# KiCad board SJ-201-R10.kicad_pcb (continued)
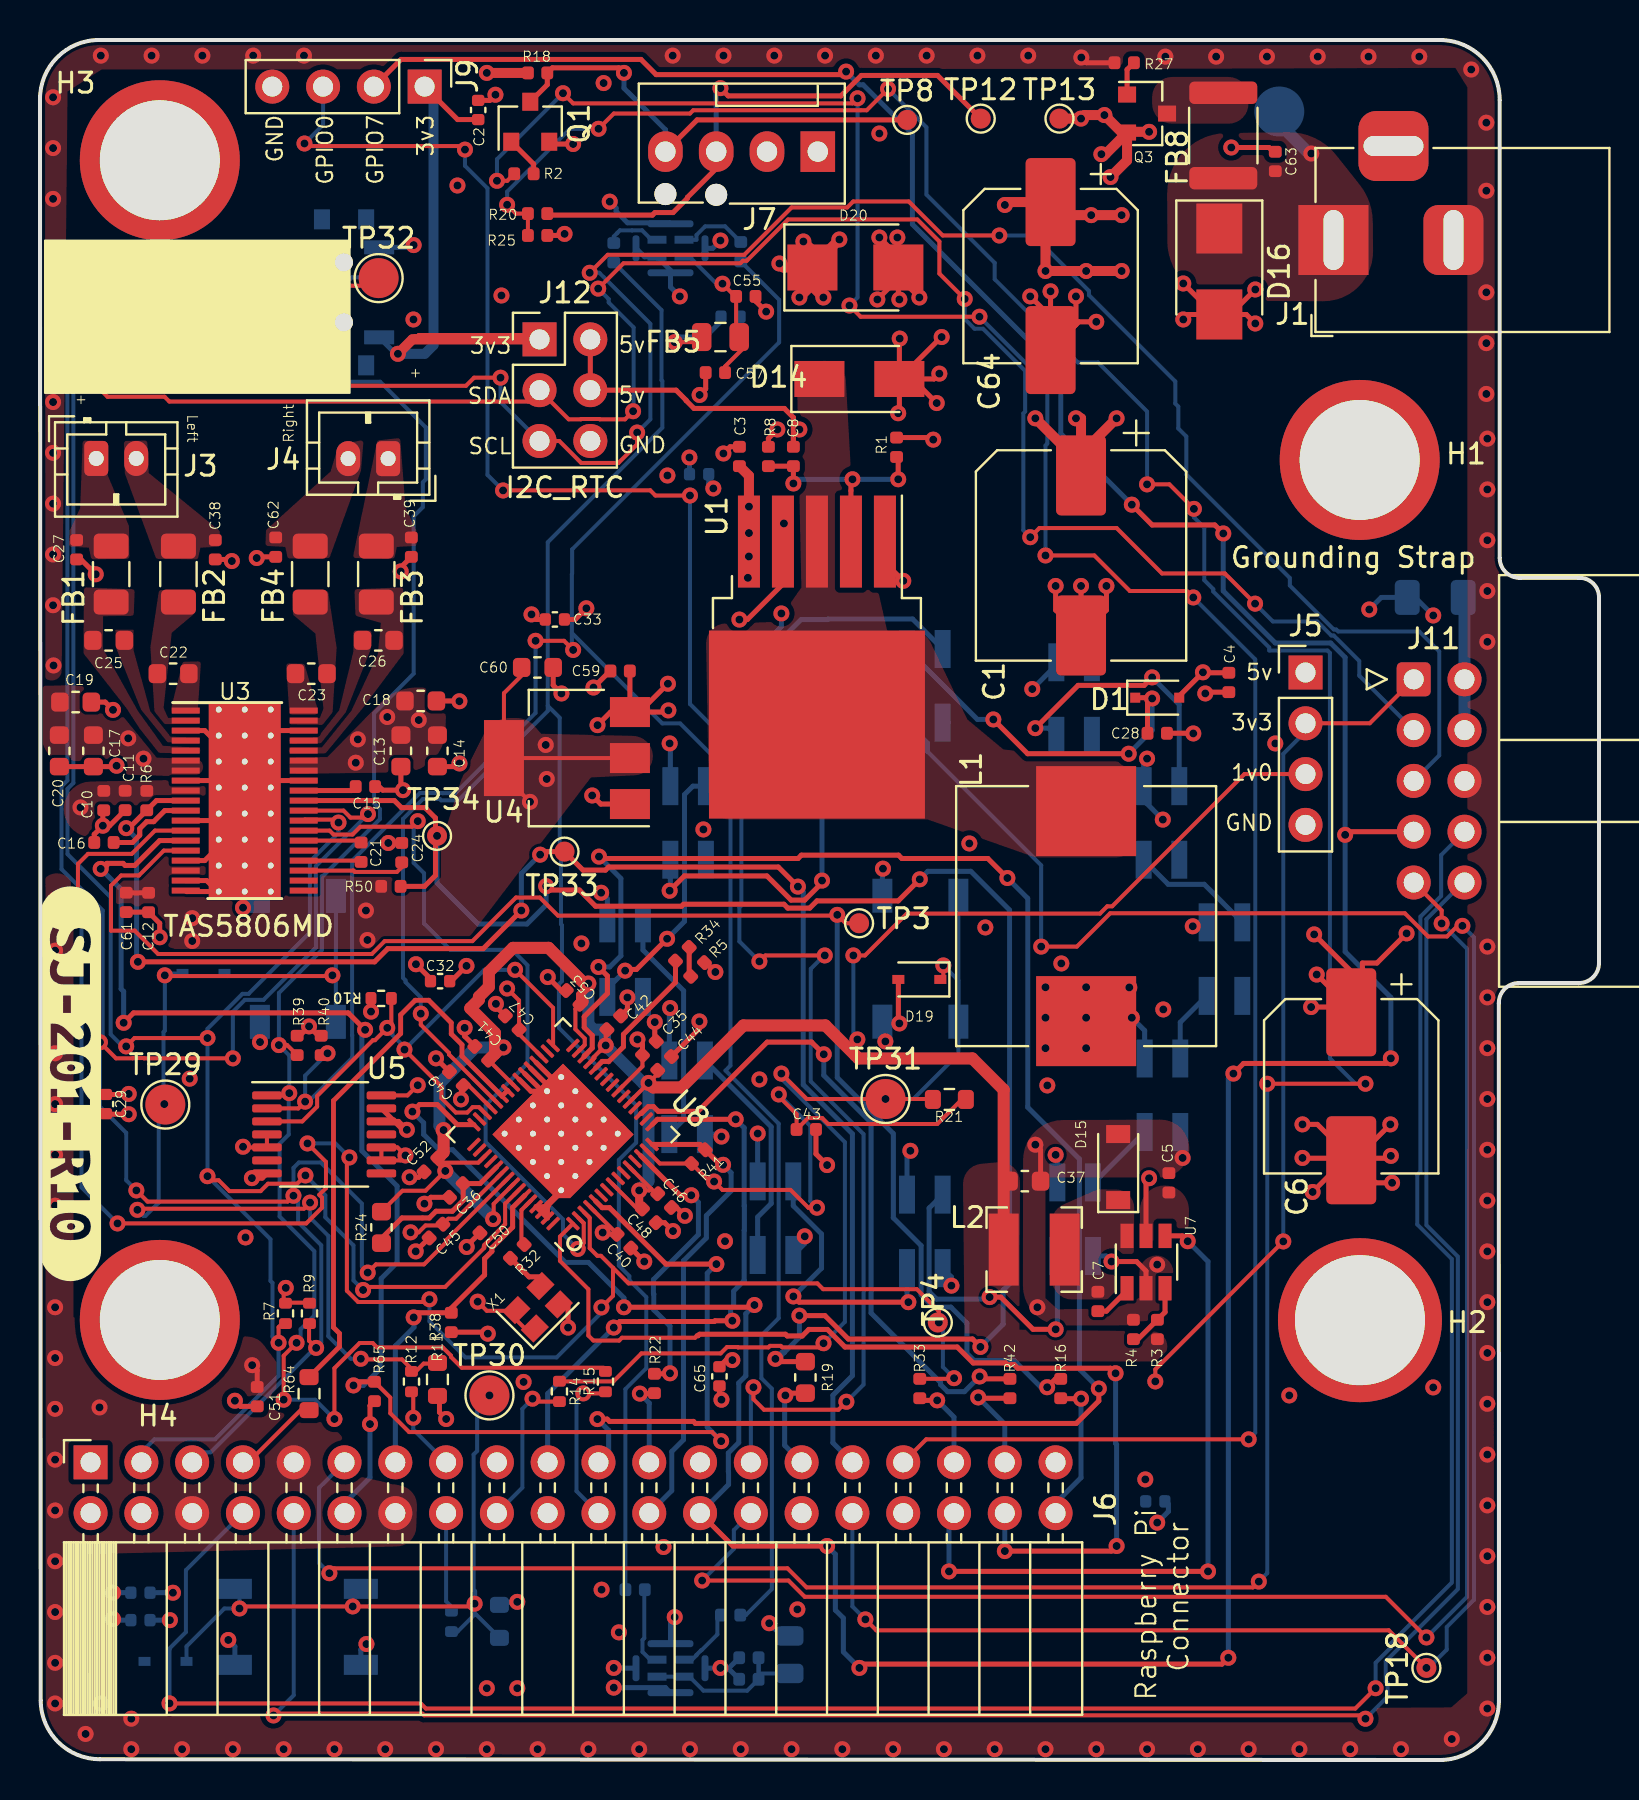
[diagram p0: board, top side]
## Footprints (pads in the part's own frame, mm; a bottom-side part is the same pattern mirrored in y, then rotated) (continued)
  rrect 0.2x0.825 smd: 16(-2.8,-3.5) 17(-2.4,-3.5) 18(-2,-3.5) 19(-1.6,-3.5) 20(-1.2,-3.5) 21(-0.8,-3.5) 22(-0.4,-3.5) 23(0,-3.5) 24(0.4,-3.5) 25(0.8,-3.5) 26(1.2,-3.5) 27(1.6,-3.5) 28(2,-3.5) 29(2.4,-3.5) 30(2.8,-3.5) 46(2.8,3.5) 47(2.4,3.5) 48(2,3.5) 49(1.6,3.5) 50(1.2,3.5) 51(0.8,3.5) 52(0.4,3.5) 53(0,3.5) 54(-0.4,3.5) 55(-0.8,3.5) 56(-1.2,3.5) 57(-1.6,3.5) 58(-2,3.5) 59(-2.4,3.5) 60(-2.8,3.5)
  rect 0.71x0.7 smd rot 45: 61(-2,2)
  round 0.6 hole 0.3: 61(-1.905,1.032) 61(-1.905,0.032) 61(-1.905,-0.968) 61(-1.905,-1.968) 61(-1.905,2.032) 61(-0.905,2.032) 61(-0.905,1.032) 61(-0.905,0.032) 61(-0.905,-0.968) 61(-0.905,-1.968) 61(0.095,2.032) 61(0.095,1.032) 61(0.095,-1.968) 61(0.095,0.032) 61(0.095,-0.968) 61(1.095,2.032) 61(1.095,1.032) 61(1.095,0.032) 61(1.095,-0.968) 61(1.095,-1.968) 61(2.095,2.032) 61(2.095,1.032) 61(2.095,0.032) 61(2.095,-0.968) 61(2.095,-1.968)
  rect 5x4.5 smd: 61(0,-0.254)
  rect 4.5x5 smd: 61(0.254,0)
R_0402_1005Metric
  rrect 0.59x0.64 smd: 1(-0.485,0) 2(0.485,0)
R_0402_1005Metric#2
  rrect 0.54x0.64 smd: 1(-0.51,0) 2(0.51,0)
R_0603_1608Metric
  rrect 0.875x0.95 smd: 1(-0.787,0) 2(0.787,0)
R_0603_1608Metric#2
  rrect 0.8x0.95 smd: 1(-0.825,0) 2(0.825,0)
R_0805_2012Metric
  rrect 0.975x1.4 smd: 1(-0.938,0) 2(0.938,0)
R_1206_3216Metric
  rrect 1.25x1.75 smd: 1(-1.4,0) 2(1.4,0)
R_1812_4532Metric
  rrect 1.125x3.4 smd: 1(-2.138,0) 2(2.138,0)
SOT-23
  rect 0.9x0.8 smd: 1(-1,0.95) 2(-1,-0.95) 3(1,0)
SOT-223-3_TabPin2
  rect 2x1.5 smd: 1(-3.15,2.3) 2(-3.15,0) 3(-3.15,-2.3)
  rect 2x3.8 smd: 2(3.15,0)
SW_SPDT_PCM12
  rect 1x0.8 smd: (-3.65,-1.43) (-3.65,0.78) (3.65,-1.43) (3.65,0.78)
  round 0.9 hole 0.9 unplated: (-1.5,-0.33) (1.5,-0.33)
  rect 0.7x1.5 smd: 1(-2.25,1.43) 2(0.75,1.43) 3(2.25,1.43)
SW_SPST_TL3342
  rect 1.7x1 smd: 1(-3.15,1.9) 1(3.15,1.9) 2(-3.15,-1.9) 2(3.15,-1.9)
TAS5806MDDCPR
  rect 1.4x0.3 smd: 1(-2.95,4.5) 2(-2.95,4) 3(-2.95,3.5) 4(-2.95,3) 5(-2.95,2.5) 6(-2.95,2) 7(-2.95,1.5) 8(-2.95,1) 9(-2.95,0.5) 10(-2.95,0) 11(-2.95,-0.5) 12(-2.95,-1) 13(-2.95,-1.5) 14(-2.95,-2) 15(-2.95,-2.5) 16(-2.95,-3) 17(-2.95,-3.5) 18(-2.95,-4) 19(-2.95,-4.5) 20(2.95,-4.5) 21(2.95,-4) 22(2.95,-3.5) 23(2.95,-3) 24(2.95,-2.5) 25(2.95,-2) 26(2.95,-1.5) 27(2.95,-1) 28(2.95,-0.5) 29(2.95,0) 30(2.95,0.5) 31(2.95,1) 32(2.95,1.5) 33(2.95,2) 34(2.95,2.5) 35(2.95,3) 36(2.95,3.5) 37(2.95,4) 38(2.95,4.5)
  round 0.5 hole 0.3: 39(-1.3,4.55) 39(-1.3,3.25) 39(-1.3,1.95) 39(-1.3,0.65) 39(-1.3,-0.65) 39(-1.3,-1.95) 39(-1.3,-3.25) 39(-1.3,-4.55) 39(0,4.55) 39(0,3.25) 39(0,1.95) 39(0,0.65) 39(0,-0.65) 39(0,-1.95) 39(0,-3.25) 39(0,-4.55) 39(1.3,4.55) 39(1.3,3.25) 39(1.3,1.95) 39(1.3,0.65) 39(1.3,-0.65) 39(1.3,-1.95) 39(1.3,-3.25) 39(1.3,-4.55)
  rect 3.6x9.7 smd: 39(0,0)
TestPoint_Pad_D1.0mm
  round 1 smd: 1(0,0)
TestPoint_Pad_D2.0mm
  round 2 smd: 1(0,0)
TestPoint_Pad_D2.5mm
  round 2.5 smd: 1(0,0)
TO-263-5_TabPin3
  rect 4.55x5.25 smd: (0.95,2.775) (0.95,-2.775) (5.8,2.775) (5.8,-2.775)
  rect 4.6x1.1 smd: 1(-5.775,3.4) 2(-5.775,1.7) 3(-5.775,0) 4(-5.775,-1.7) 5(-5.775,-3.4)
  rect 9.4x10.8 smd: 3(3.375,0)
TSOT-23-6
  rect 1.22x0.65 smd: 1(-1.31,0.95) 2(-1.31,0) 3(-1.31,-0.95) 4(1.31,-0.95) 5(1.31,0) 6(1.31,0.95)
TSSOP-14_4.4x5mm_P0.65mm
  rrect 1.475x0.4 smd: 1(-2.862,1.95) 2(-2.862,1.3) 3(-2.862,0.65) 4(-2.862,0) 5(-2.862,-0.65) 6(-2.862,-1.3) 7(-2.862,-1.95) 8(2.862,-1.95) 9(2.862,-1.3) 10(2.862,-0.65) 11(2.862,0) 12(2.862,0.65) 13(2.862,1.3) 14(2.862,1.95)

## Nets
12v_Unregulated: C63.1 D16.1 FB8.1 J1.1 TP12v0.1
+1V0: C37.1 C41.1 C42.1 C44.1 C46.1 C48.1 C50.1 C52.1 C53.1 J5.3 L2.2 R3.1 R24.2 U8.8 U8.11 U8.20 U8.27 U8.29 U8.38 U8.48 U8.53
+5V: C4.1 C5.2 C6.1 C8.1 C9.1 C34.1 C59.1 D1.2 D3.1 D4.1 D5.1 D6.1 D7.1 D8.1 D9.1 D10.1 D11.1 D12.1 D13.1 F1.1 J5.1 J6.2 J6.4 J12.2 J12.4 L1.2 R1.1 U4.3 U7.5
/AudioAmp/AVDD: C15.2 U3.30
/Power/5v_unfiltered: D14.1 L1.1 U1.3
/RaspberryPi/5Vf: F1.2 J11.2 J11.4
/xmos/3V3_MIC0: C55.1 C57.1 FB5.1 U10.VDD
/xmos/3V3_MIC1: C56.1 C58.1 FB6.1 U11.LR U11.VDD
DVDD: C2.1 C10.1 C11.1 C12.1 C29.1 C30.1 C31.1 C32.1 C33.1 C35.1 C40.1 C43.1 C45.1 C47.1 C49.1 C51.1 C54.1 C60.1 C61.1 C65.1 FB5.2 FB6.2 J5.2 J9.1 J11.1 J12.1 R6.1 R7.2 R9.2 R11.1 R17.1 R21.1 R41.2 R50.1 SW1.1 U3.9 U3.17 U4.2 U5.14 U8.4 U8.14 U8.22 U8.33 U8.42 U8.51 X1.1 X1.4
GND: C1.2 C2.2 C3.2 C4.2 C5.1 C6.2 C9.2 C10.2 C11.2 C12.2 C13.2 C14.2 C15.1 C16.1 C17.2 C18.2 C19.2 C20.2 C24.2 C27.2 C28.2 C29.2 C30.2 C31.2 C32.2 C33.2 C34.2 C35.2 C36.2 C37.2 C38.2 C39.2 C40.2 C41.2 C42.2 C43.2 C44.2 C45.2 C46.2 C47.2 C48.2 C49.2 C50.2 C51.2 C52.2 C53.2 C54.2 C55.2 C56.2 C57.2 C58.2 C59.2 C60.2 C61.2 C62.2 C63.2 C64.2 C65.2 D2.3 D3.3 D4.3 D5.3 D6.3 D7.3 D8.3 D9.3 D10.3 D11.3 D12.3 D13.3 D14.2 D15.2 D16.2 D17.2 D18.2 D19.2 D20.2 H1.1 J1.2 J1.3 J5.4 J6.6 J6.9 J6.14 J6.20 J6.25 J6.30 J6.34 J6.39 J7.1 J9.4 J11.6 J12.6 Q1.2 R4.1 R5.2 R8.1 R10.2 R25.2 R27.2 R38.2 R39.2 R40.1 S1.2 S2.2 S3.2 SW1.3 U1.1 U1.4 U3.3 U3.8 U3.12 U3.16 U3.18 U3.19 U3.31 U3.36 U3.39 U4.1 U5.4 U5.5 U5.7 U5.9 U5.10 U5.12 U5.13 U7.2 U8.34 U8.35 U8.36 U8.37 U8.57 U8.58 U8.59 U8.61 U10.GND U10.GND1 U10.GND2 U10.GND3 U10.LR U11.GND U11.GND1 U11.GND2 U11.GND3 X1.2
PVDD: C1.1 C3.1 C13.1 C14.1 C17.1 C18.1 C19.1 C20.1 C64.1 D20.1 J7.2 Q3.2 R18.1 TP13.1 U1.5 U3.6 U3.7 U3.32 U3.33
/AudioAmp/BSTA+: C25.1 U3.4
/AudioAmp/BSTA-: C22.1 U3.1
/AudioAmp/BSTB+: C26.1 U3.35
/AudioAmp/BSTB-: C23.1 U3.38
/AudioAmp/Left+: C27.1 FB1.1 J3.1
/AudioAmp/Left-: C38.1 FB2.1 J3.2
/AudioAmp/OUT_A1+: C25.2 FB1.2 U3.5
/AudioAmp/OUT_A1-: C22.2 FB2.2 U3.2
/AudioAmp/OUT_B1+: C26.2 FB3.2 U3.34
/AudioAmp/OUT_B1-: C23.2 FB4.2 U3.37
/AudioAmp/Right+: C39.1 FB3.1 J4.1
/AudioAmp/Right-: C62.1 FB4.1 J4.2
/AudioAmp/VR_DIG: C16.2 U3.11
/MCU/FAN_PWM: J7.4 Q1.3 R18.2 TP8.1
/MCU/FAN_TACH: J7.3 R20.2 TP12.1
/xmos/24M: R32.1 U8.56
/xmos/MIC_CLK: R43.1 R45.1 U8.41
/xmos/MIC_DATA: R10.1 U5.3 U8.31 U8.43
/xmos/MIC_DATA_M: R40.2 R44.1 R46.1 U5.2
/xmos/PLL_AVDD_Filter: C36.1 R24.1 U8.50
Boot_Sel: J6.37 R42.2
Enable1V: J6.36 U7.4
FanPWM: J6.33 R2.2
FanTach: J6.11 R20.1 R25.1
GPIO0: J6.27 J9.3
GPIO1: J6.28 J11.9
GPIO5: R19.1 R50.2 TP34.1 U3.29
GPIO7: J6.26 J9.2 J11.7 U8.45
GPIO22: D17.1 R11.2 R12.2 S1.1 TP29.1
GPIO23: D18.1 R13.2 R17.2 S2.1 TP30.1
GPIO24: D19.1 R14.2 R21.2 S3.1 TP31.1
GPIO25: R15.2 R39.1 SW1.2 TP32.1 U5.1
I2S_BCLK_AMP: R65.2 U3.14 U8.5
I2S_BCLK_PI: J6.12 R65.1
I2S_DIN_AMP: R16.2 TP3.1 U3.15
I2S_DIN_PI: J6.38 U8.1
I2S_DIN_XMOS: U3.26 U8.2
I2S_DOUT_PI: J6.40 R16.1
I2S_LRCK_AMP: R33.2 TP4.1 U3.13 U8.3
I2S_MCLK_PI: J6.7 R64.2
I2S_MCLK_XMOS: R64.1 U8.39 U8.40
I2S_WS_PI: J6.35 R33.1
Neopixel: D2.4 J6.32 TP18.1
SCL: J6.5 J11.5 J12.5 R9.1 U3.28 U8.52
SDA: J6.3 J11.3 J12.3 R7.1 U3.27 U8.54
SPI_CLK: J6.23 R22.2
SPI_CSn: J6.24 R41.1 U8.15
SPI_MISO: J6.21 U8.28
SPI_MOSI: J6.19 U8.16
TAS_Fault: J6.31 R6.2 TP33.1 U3.10
UART_RXD_PI: J6.10 J11.10
UART_TXD_PI: J6.8 J11.8
XMOS_Reset: J6.13 R38.1 U8.55
Net-(C7-Pad1): C7.1 D15.1 L2.1 U7.6
Net-(C7-Pad2): C7.2 U7.1
Net-(C8-Pad2): C8.2 R1.2 R8.2 U1.2
Net-(C21-Pad1): C21.1 U3.23
Net-(C21-Pad2): C21.2 U3.25
Net-(C24-Pad1): C24.1 U3.22
Net-(C28-Pad1): C28.1 D1.1 D2.1
Net-(D2-Pad2): D2.2 D3.4
Net-(D3-Pad2): D3.2 D4.4
Net-(D4-Pad2): D4.2 D5.4
Net-(D5-Pad2): D5.2 D6.4
Net-(D6-Pad2): D6.2 D7.4
Net-(D7-Pad2): D7.2 D8.4
Net-(D8-Pad2): D8.2 D9.4
Net-(D10-Pad2): D10.2 D11.4
Net-(D10-Pad4): D9.2 D10.4
Net-(D11-Pad2): D11.2 D12.4
Net-(D12-Pad2): D12.2 D13.4
Net-(FB8-Pad2): FB8.2 Q3.3
Net-(J6-Pad15): J6.15 R12.1
Net-(J6-Pad16): J6.16 R13.1
Net-(J6-Pad18): J6.18 R14.1
Net-(J6-Pad22): J6.22 R15.1
Net-(J6-Pad29): J6.29 R19.2
Net-(Q1-Pad1): Q1.1 R2.1
Net-(Q3-Pad1): Q3.1 R27.1
Net-(R3-Pad2): R3.2 R4.2 U7.3
Net-(R22-Pad1): R22.1 U8.13
Net-(R32-Pad2): R32.2 X1.3
Net-(R34-Pad1): R34.1 U8.26
Net-(R34-Pad2): R5.1 R34.2
Net-(R42-Pad1): R42.1 U8.18
Net-(R43-Pad2): R43.2 U10.CLK
Net-(R44-Pad2): R44.2 U10.DOUT
Net-(R45-Pad2): R45.2 U11.CLK
Net-(R46-Pad2): R46.2 U11.DOUT

Pads without a net: D13 2; H2 1; H3 1; H4 1; J6 1 17; U3 20 21 24; U5 6 8 11; U8 6 7 9 10 12 17 19 21 23 24 25 30 32 44 46 47 49 60

## Via types
v1: diameter 0.8, hole 0.4, Top to Bottom, 531 vias

## Routing (per net, layer and track width the routed paths; a pad name or vN(x,y) marks a point on that pad's centre or on a via; arc(x,y) is an arc through that point)
12v_Unregulated: length 2.8
  Bottom w0.6: v1(63.58,80.33) 63.48,80.33 61.98,81.83 TP12v0.1
+1V0: length 120.8
  Top w0.2: 30.56,28.57 U8.11 ; 30.56,28.57 30.47,28.48 v1(29.97,28.48) ; 30.56,28.57 30.81,28.32 C46.1 ; R24.2 18.13,28.47 19.28,28.47 20.27,29.45 v1(20.27,29.45) 19.89,29.83 C52.1 20.12,29.87 21.92,29.87 U8.48 ; 40.78,35.23 40.78,35.93 v1(40.88,36.03) ; U8.27 27.68,35.06 27.68,35.13 27.99,35.45 28.01,35.45 v1(28.29,35.73) 28.29,36.46 C42.1 ; v1(22.66,27.05) 22.66,27.05 C50.1 22.69,27.81 U8.53 ; U8.38 C41.1 ; C44.1 30.89,34.31 v1(30.43,33.86) U8.20 ; 29.97,27.72 C48.1 29.88,27.55 U8.8 ; C53.1 26.78,37.56 26.78,36.54 27.24,36.07 27.24,35.76 U8.29 ; v1(40.68,40.23) 41.26,40.23 43.35,42.32 53.01,42.32 53.37,42.69 53.62,42.69 60.23,49.3 J5.3
  Top w0.4: C53.1 27.01,38.26 27.42,38.68 v1(27.42,38.83) ; v1(29.97,28.48) 29.97,27.72
  Top w0.6: 22.75,35.31 22.75,36.35 21.52,37.59 21.95,38.02 21.95,38.16 22.45,38.66 22.45,39.4 23.66,40.61 25.44,40.61 27.14,38.9 ; L2.2 48.2,33.51 46.63,35.08 40.93,35.08 39.28,36.73 35.18,36.73 32.08,33.63 30.66,33.63 v1(30.43,33.86) ; C53.1 27.14,37.93 ; v1(23.18,35.63) 23.07,35.63 C41.1 ; C52.1 20.18,30.38 v1(20.18,31.5)
  Bottom w0.2: v1(40.88,36.03) 40.68,36.23 v1(40.68,40.23)
  Bottom w0.6: v1(20.27,29.45) 22.66,27.06 v1(22.66,27.05) ; v1(23.18,35.63) 21.78,35.63 19.98,33.83 19.98,31.71 v1(20.18,31.5) ; v1(29.97,28.48) 30.43,28.95 v1(30.43,33.86) 30.15,33.86 28.29,35.72 v1(28.29,35.73) 28.25,35.77 28.25,36.52 27.69,36.52 27.42,36.78 v1(27.42,38.83)
+5V: length 77.3
  Top w0.25: v1(63.72,41.28) 65.58,39.43 65.58,37.39 ; U4.3 29.5,54.45 C59.1 ; U4.3 31.34,52.4 v1(31.43,52.48) ; U4.3 28.54,52.4 v1(27.88,51.75) ; U4.3 29.99,52.4 v1(31.4,53.82) ; 66.14,37.95 65.66,37.47 v1(63.85,39.28) ; 66.14,37.95 65.84,37.65 v1(63.57,37.65) ; 66.14,37.95 66.14,39.85 66.86,39.85 v1(68.35,41.33) ; R1.1 44.57,66.13 v1(44.67,66.02) ; D1.2 56.97,53.2 v1(58.16,54.39) 58.18,54.37 C4.1 ; v1(55.47,29.09) 55.31,28.94 U7.5 ; v1(37.98,66.53) 37.68,66.23 C8.1 37.68,67.13 37.23,67.58 32.71,67.58 32.31,67.98 32.31,68 31.81,68.5 J12.4 J12.2
  Bottom w0.25: v1(54.6,37.12) 55.25,36.47 D10.1 ; D3.1 35.84,55.44 37.08,56.68 v1(37.08,57.33) ; v1(49.63,53.55) 50.83,54.75 D13.1 ; D11.1 57.85,41.89 v1(57.65,41.69) ; D8.1 43.36,30.29 v1(43.53,30.46) ; C9.1 v1(6.65,8.36) ; C34.1 v1(6.5,6.99) ; D6.1 31.47,37.56 v1(31.51,37.6) ; D5.1 28.37,43.06 v1(28.06,43.37) ; v1(56.15,47.02) 55.2,47.98 D12.1 55.2,49.9 v1(55.37,50.07) ; D4.1 31.52,50.8 v1(31.49,50.83) ; v1(69.68,57.23) 68.78,58.13 F1.1 67.08,58.13 v1(66.48,57.53) ; v1(35.89,31.33) D7.1 ; D9.1 50.88,30.17 v1(50.79,30.26)
  vias: v1(50.29,38.64) v1(50.29,37.12) v1(50.29,35.59) v1(52.32,38.64) v1(52.32,37.12) v1(52.32,35.59) v1(54.48,38.63)
/AudioAmp/AVDD: length 2.7
  Top w0.25: C15.2 15.59,48.47 U3.30
/RaspberryPi/5Vf: length 6.7
  Bottom w0.6: J11.4 71.24,58.07 F1.2
/xmos/3V3_MIC0: length 7.9
  Top w0.2: C57.1 34.26,69.68 35.35,70.77 34.81,71.31 C55.1 34.77,73.18 v1(34.13,73.82)
  Bottom w0.2: U10.VDD 32.48,75.17 33.83,73.82 v1(34.13,73.82)
/xmos/3V3_MIC1: length 9
  Bottom w0.2: U11.LR U11.VDD 32.48,4.17 33.18,3.47 35.37,3.47 C58.1 C56.1 35.94,4.33 FB6.1
DVDD: length 161.2
  Top w0.2: v1(28.14,26.37) 28.23,26.28 C40.1 28.86,26.31 U8.4 ; v1(24.5,47.91) 23.2,49.21 U4.2 ; FB5.2 32.84,70.9 v1(31.74,70.9) ; v1(38.86,27.62) 38.42,27.62 37.53,28.51 34.13,28.51 v1(33.71,28.93) 33.48,28.93 R41.2 31,29.83 U8.14 ; J11.1 66.5,51.84 J5.2 ; 46.1,33.03 44.87,31.8 39.42,31.8 39.12,32.1 38.41,32.1 C43.1 37.84,32.29 36.95,33.18 v1(36.95,33.28) ; v1(12.29,23.61) 12.19,23.5 12.19,22.87 13.46,22.87 ; v1(23.36,38.58) 23.96,37.98 C47.1 23.96,36.3 U8.33 ; v1(62.18,25.93) 55.78,19.53 v1(55.78,18.93) ; v1(21.05,33.03) 21.05,33.61 C49.1 21.44,33.73 U8.42 ; U5.14 18.38,33.23 v1(18.89,33.74) ; v1(21.89,22.92) 22.34,22.46 23.37,22.46 24.71,21.12 ; U4.2 23.2,53.34 24.29,54.43 ; U4.2 U4.2 ; 25.24,71.25 18.94,71.25 18.87,71.18 ; U8.51 20.82,27.07 20.42,27.07 C45.1 20.09,26.73 19.28,26.73 18.94,26.39 v1(18.53,26.39) ; U8.22 30.13,34.68 C35.1
  Top w0.25: v1(24.58,57.28) 24.83,57.03 C33.1 ; C61.1 4.32,43.36 C12.1 ; v1(29.88,36.03) 30.13,35.78 C35.1 ; v1(20.31,17.05) 19.98,17.39 19.98,18.21 ; C32.1 19.53,39.06 v1(18.8,39.79) ; C51.1 10.03,17.68 v1(9.75,17.97) ; C2.1 20.89,82.03 J9.1 ; 18.87,71.18 18.76,71.18 v1(17.9,70.31) ; v1(4.44,33.31) 4.41,33.28 C29.1 ; C65.1 34.31,20 v1(34.63,20) ; 4.32,43.29 4.32,43.29
  Top w0.5: J12.1 18.62,71.04 v1(17.9,70.31)
  Bottom w0.2: 19.6,83.31 J9.1 ; v1(38.86,27.62) 38.53,27.95 38.53,31.7 v1(36.95,33.28) ; v1(62.18,25.93) 62.18,50.31 63.29,51.42 J5.2
  Bottom w0.25: 22.85,7.88 23.85,7.88 v1(23.87,7.91) ; FB6.2 37.11,6.2 v1(36.47,6.84) ; v1(31.74,70.9) 32,71.15 33.27,71.15 34.06,71.94 C31.1 ; 56.43,12.81 56.43,12.43 v1(55.87,11.87) ; v1(32.48,65.13) 32.48,65.13 C30.1 ; v1(17.9,70.31) 17.78,70.31 SW1.1
  Bottom w0.5: J9.1 19.68,83.23 19.68,70.75 19.25,70.31 v1(17.9,70.31)
  vias: v1(2.03,47.63) v1(7.61,42.1) v1(7.61,40.95) v1(16.3,42.48) v1(16.38,41) v1(25.29,50.76) v1(25.34,49.05)
GND: length 229
  Top w0.2: U5.4 U5.5 10.19,30.63 v1(10.15,30.67) ; 17.88,30.63 v1(18.28,30.23) 18.03,29.98 U5.9 U5.10 17.88,30.63
  Top w0.25: D16.2 58.73,72.28 v1(57.18,73.83) ; D16.2 60.33,72.28 v1(60.78,71.83) ; D16.2 59.53,72.28 v1(60.78,73.53) ; D16.2 57.43,72.28 v1(57.18,72.03) ; R5.2 33.31,39.87 v1(33.78,39.4) ; R40.1 13.92,36.22 v1(13.46,36.68) 12.99,36.22 R39.2 ; U8.61 25.55,34.15 U8.34 ; v1(26.08,53.33) 25.67,53.74 C60.2 ; v1(44.98,69.32) 44.71,69.06 D14.2 ; C64.2 50.54,72.17 v1(49.52,73.18) ; C64.2 51.81,71.77 v1(51.81,73.18) ; C64.2 v1(50.54,73.44) ; C64.2 51.95,71.91 v1(52.83,71.91) ; v1(42.88,76.13) 42.93,76.08 D20.2 ; R38.2 22.32,21.39 v1(22.4,21.32) ; D20.2 42.93,73.08 v1(42.98,73.03) ; D20.2 42.93,74.08 v1(41.88,73.03) ; D20.2 42.93,74.18 v1(43.98,73.13) ; D20.2 42.93,75.18 v1(41.98,76.13) ; v1(34.18,65.33) 34.51,65.67 C3.2 ; D14.2 42.98,67.4 v1(42.92,67.34) ; D14.2 42.98,71.06 v1(43,71.08) ; D14.2 43.64,69.06 v1(44.85,67.85) ; D14.2 45.07,71.15 v1(45.09,71.15) ; U3.31 11.24,48.97 U3.39 ; U5.7 11.11,29.1 v1(10.6,29.1) ; U3.8 9.24,48.97 U3.39 ; C36.2 19.55,28.14 v1(19.23,27.82) ; 25.36,27.65 25.36,27.69 26.12,28.45 U8.61 ; 25.36,27.65 25.43,27.72 25.43,27.83 ; 25.36,27.65 U8.58 ; C14.2 20.82,49.67 v1(20.98,49.83) ; v1(27.62,48.23) 28.05,47.8 U4.1 ; v1(3.65,52.51) 3.26,52.9 C19.2 ; v1(52.08,85.13) 52.34,84.87 R27.2 ; U8.61 25.36,33.77 U8.35 ; U8.61 25.12,33.44 U8.36 ; U8.61 24.56,33.44 U8.37 ; 61.68,80.42 61.46,80.63 v1(59.58,80.63) ; C4.2 58.34,53.4 v1(58.28,53.33) ; v1(63.14,31.78) 63.88,31.78 65.58,30.09 ; v1(18.48,29.14) 18.94,29.14 C52.2 ; v1(30.22,24.92) C40.2 ; v1(25.39,39.15) 26.07,38.48 C53.2 ; v1(32.99,68.26) 33.29,68.56 C57.2 ; v1(39.36,29.75) 38.81,30.31 C43.2 ; v1(9.59,59.95) 9.51,60.03 C38.2 ; U3.36 11.79,51.47 U3.39 ; v1(21.33,39.71) 20.57,38.95 C32.2 ; v1(67.56,30.21) 67.44,30.09 65.58,30.09 ; 65.58,30.09 63.16,30.09 v1(63.14,30.11) ; 65.58,30.09 66.8,28.86 v1(67.62,28.86) ; 65.58,30.09 65.33,30.09 v1(63.65,28.4) ; 65.58,30.09 65.84,30.09 v1(67.53,31.78) ; U5.13 18.14,31.51 v1(18.35,31.51) 17.93,31.93 U5.12 ; C49.2 v1(19.81,35.08) ; v1(27.32,57.59) 26.77,57.03 C33.2 ; v1(27.68,53.63) 28.51,54.45 C59.2 ; C62.2 10.9,60.16 v1(10.84,60.1) ; v1(3.14,46.72) 3.14,47.44 ; v1(3.14,46.72) 2.71,46.29 C16.1 ; v1(3.14,46.72) 3.48,46.72 C11.2 ; v1(26.41,21.62) 26.41,22.81 26.41,22.82 ; v1(4.44,32.29) 3.32,32.29 C29.2 ; R25.2 26.16,76.23 v1(26.23,76.31) ; v1(30.75,36.9) 30.75,36.01 C35.2 ; C65.2 33.98,18.12 v1(34.08,18.02) ; v1(32.25,27.21) 31.83,27.63 C46.2 ; R10.2 16.55,37.42 v1(16.55,37.42) ; C61.2 5.43,42.4 C12.2 5.99,41.84 v1(5.99,41.14) ; C18.2 20.96,52.96 v1(20.97,52.94) ; U3.39 10.24,49.47 8.24,51.47 U3.3 ; U3.39 10.24,46.97 8.24,44.97 U3.16 ; U3.39 9.24,46.97 U3.12 ; C1.2 53.33,57.5 v1(53.33,58.71) ; C1.2 v1(52.06,58.71) ; C1.2 50.79,57.5 v1(50.79,58.71) ; v1(57.68,51.33) 57.67,51.34 C28.2 ; v1(22.8,37.81) 22.8,37.68 C47.2 ; C27.2 2.04,60.03 v1(2.79,59.29) ; U1.4 37.16,58.81 35.37,57.03 v1(34.98,57.03) ; C48.2 31.24,26.87 v1(31.66,26.45) ; C50.2 21.34,25.7 v1(21.34,25.65) ; v1(36.88,66.53) 36.43,66.08 R8.1 ; v1(21.24,36.61) 21.24,36.19 C41.2 ; 53.56,31.3 D15.2 ; C44.2 32.98,36.57 v1(32.98,36.93) ; U3.39 8.88,43.42 8.33,43.97 U3.18 ; U3.39 7.34,43.42 U3.19 ; 16.96,48.67 17.14,48.5 v1(18.15,48.5) 18.05,48.6 C13.2 ; v1(10.61,19.74) 10.86,19.49 C51.2 ; v1(36.32,72.42) 35.78,72.95 C55.2 ; v1(22.78,83.27) 22.5,82.99 C2.2 ; U1.1 42.26,59.88 v1(43.17,58.96) ; v1(18.04,59.43) 18.04,59.63 C39.2 ; C42.2 29.38,37.54 v1(29.38,38.13) ; v1(3.83,49.72) 3.79,49.67 C17.2 C20.2 ; v1(53.59,24.92) 54.84,24.92 55.31,24.45 U7.2 ; v1(42.98,36.83) 42.93,36.88 D19.2 ; C24.2 v1(17.42,45.85) ; C45.2 v1(18.79,25.43) ; Q1.2 25.58,80.8 v1(26.66,80.8) ; v1(49.78,30.77) 50.04,30.5 C37.2 ; U8.57 25.24,27.67 U8.61 25.38,27.8 U8.59 U8.57
  Bottom w0.25: v1(3.65,7.04) 3.7,6.99 C34.2 ; v1(16.33,5.8) 16.05,5.52 S2.2 ; D8.3 45.58,24.15 v1(45.58,23.72) ; v1(34.03,4.6) 34.02,4.59 U11.GND ; v1(34.03,4.6) 34.4,4.6 C58.2 ; v1(34.03,4.6) 34.46,4.6 C56.2 ; SW1.3 18.58,75.64 v1(18.69,75.75) ; S3.2 42.13,44.54 v1(42.16,44.57) ; U11.GND3 31.28,3.62 v1(28.7,3.62) ; v1(11,35.9) 11,35.91 S1.2 ; v1(29.38,38.13) 30.13,38.13 D5.3 ; S1.2 10.75,43.21 v1(10.15,42.62) ; U11.GND2 28.71,4.59 v1(28.7,4.6) ; D7.3 38.25,25.83 v1(38.25,26.19) ; v1(53.59,24.92) 53.31,25.2 D9.3 ; U11.GND1 31.53,6.93 v1(31.74,7.14) ; v1(9.42,6) 9.75,5.67 S2.2 ; D6.3 33.96,31.3 v1(34.08,31.17) ; v1(33.67,63.58) 33.44,63.81 C30.2 ; v1(3.65,8.36) C9.2 4.54,8.34 ; D2.3 45.44,51.87 ; U10.GND 33.64,75.59 v1(34.03,75.98) ; U10.GND2 30.23,75.17 U10.LR 31.53,74.49 U10.GND3 31.53,73.65 v1(32,73.18) ; v1(42.98,36.83) 42.22,36.83 S3.2 42.13,36.08 v1(42.28,35.93) ; U10.GND1 31.48,76.86 29.38,76.86 28.81,77.44 28.81,77.6 v1(28.49,77.92)
  vias: v1(0.65,83.14) v1(0.65,80.6) v1(0.65,78.06) v1(0.65,75.52) v1(0.65,72.98) v1(0.65,70.44) v1(0.65,67.9) v1(0.65,65.36) v1(0.65,62.82) v1(0.65,60.28) v1(0.65,57.74) v1(0.68,54.73) v1(0.76,43.01) v1(0.76,40.47) v1(0.76,37.88) v1(0.76,35.34) v1(0.76,32.8) v1(0.76,30.26) v1(0.76,27.72) v1(0.76,25.18) v1(0.76,22.64) v1(0.76,20.1) v1(0.76,17.56) v1(0.76,15.02) v1(0.76,12.48) v1(0.76,9.94) v1(0.76,7.4) v1(0.76,4.86) v1(0.76,2.83) v1(2.28,1.3) v1(2.98,17.63) v1(3.04,85.22) v1(3.04,2.83) v1(4.57,2.06) v1(4.57,0.54) v1(5.58,85.22) v1(7.11,0.54) v1(7.49,34.07) v1(8.12,85.22) v1(9.65,0.54) v1(10.28,26.13) v1(10.66,85.22) v1(12.19,0.54) v1(13.2,85.22) v1(14.73,0.54) v1(17.27,0.54) v1(18.68,72.03) v1(19.81,0.54) v1(20.88,78.73) v1(22.35,3.59) v1(22.35,0.54) v1(23.08,73.23) v1(23.87,3.59) v1(24.19,18.9) v1(24.89,0.54) v1(27.08,40.83) v1(27.43,0.54) v1(28.09,8.52) v1(28.19,83.85) v1(28.95,6.38) v1(29.97,0.54) v1(31.18,10.65) v1(31.38,64.23) v1(31.64,85.22) v1(32.51,0.54) v1(33.18,46.53) v1(34.18,85.22) v1(34.26,25.94) v1(35.05,0.54) v1(35.98,34.03) v1(36.72,85.22) v1(37.2,61.83) v1(37.59,0.54) v1(37.88,7.53) v1(39.26,85.22) v1(40.13,0.54) v1(41.8,85.22) v1(41.98,81.33) v1(42.67,0.54) v1(44.34,85.22) v1(45.21,0.54) v1(46.48,45.83) v1(46.88,85.22) v1(47.28,41.63) v1(47.75,0.54) v1(49.42,85.22) v1(49.88,22.64) v1(50.29,0.54) v1(50.38,33.73) v1(51.08,39.83) v1(52.83,0.54) v1(55.28,14.03) v1(55.37,0.54) v1(55.87,24.77) v1(56.18,37.53) v1(56.28,85.17) v1(57.14,30.11) v1(57.91,0.54) v1(58.82,85.17) v1(60.45,0.54) v1(61.36,85.17) v1(61.78,50.83) v1(62.48,18.23) v1(62.99,0.54) v1(63.9,85.17) v1(65.53,0.54) v1(66.44,85.17) v1(68.07,0.54) v1(68.98,85.17) v1(69.68,18.63) v1(70.61,1.05) v1(71.58,84.53) v1(72.33,81.87) v1(72.33,78.47) v1(72.33,73.39) v1(72.33,70.85) v1(72.33,68.31) v1(72.38,66.07) v1(72.38,63.53) v1(72.38,60.99) v1(72.38,58.45) v1(72.38,55.91) v1(72.38,40.67) v1(72.38,38.13) v1(72.38,35.59) v1(72.38,33.05) v1(72.38,30.51) v1(72.38,27.97) v1(72.38,25.43) v1(72.38,22.89) v1(72.38,20.35) v1(72.38,17.81) v1(72.38,15.27) v1(72.38,12.73) v1(72.38,10.19) v1(72.38,7.65) v1(72.38,5.11) v1(72.38,2.57)
PVDD: length 48
  Top w0.5: v1(55.47,81.41) 54.4,81.41 Q3.2 ; v1(53.84,67.09) 52.06,65.31 C1.1 ; v1(38.18,75.93) 38.63,75.48 D20.1 ; C1.1 52.06,64.8 v1(49.78,67.09) ; C1.1 52.06,67.09 v1(51.81,67.09) ; v1(53.54,79.15) 54.37,79.98 Q3.2 ; C64.1 51.19,77.25 v1(52.57,77.25) v1(54.1,77.25) ; C64.1 48.4,77.9 v1(48.25,77.76) ; C64.1 50.29,77.65 v1(50.29,74.45) v1(54.1,74.45) ; D20.1 38.63,73.78 v1(37.98,73.13) ; D20.1 38.63,74.68 v1(39.98,76.03) ; D20.1 38.63,73.68 v1(39.18,73.13) ; D20.1 37.18,74.63 v1(36.98,74.83) ; v1(53.08,80.3) 53.28,80.3 Q3.2 ; Q3.2 54.11,81.38 v1(53.23,82.25) 52.24,82.25 v1(52.06,82.07) TP13.1 ; C3.1 35.46,64.22 v1(35.46,62.67) v1(35.46,61.35) U1.5 ; R18.1 v1(22.35,84.36)
  vias: v1(4.41,51.09) v1(5.18,50.07) v1(15.79,49.87) v1(15.89,51.04) v1(17.37,52.15) v1(18.94,52) v1(35.4,59.11) v1(35.45,60.18) v1(52.32,74.45)
/AudioAmp/VR_DIG: length 4.5
  Top w0.25: U3.11 6.24,47.47 5.69,46.92 5.33,46.92 4.99,46.57 4.99,46.24 4.63,45.88 C16.2
/MCU/FAN_PWM: length 23.4
  Top w0.25: J7.4 32.86,82.01 TP8.1 ; Q1.3 25.37,83.77 R18.2 25.62,84.61 28.95,84.61 v1(29.2,84.36)
  Bottom w0.25: v1(29.2,84.36) 29.2,83.6 31.28,81.52 J7.4
/MCU/FAN_TACH: length 28.1
  Top w0.25: J7.3 33.82,79.58 32.38,78.14 32.38,78.1 31.66,77.38 30.75,77.38 30.63,77.25 25.45,77.25 R20.2 ; TP12.1 44.89,84.23 41.08,84.23 40.05,83.21 34.42,83.21 v1(34.03,83.6)
  Bottom w0.25: J7.3 33.82,83.39 v1(34.03,83.6)
/xmos/24M: length 2.4
  Top w0.2: R32.1 24.08,25.91 24.08,27.5 U8.56
/xmos/MIC_CLK: length 98.9
  Top w0.2: v1(19.04,37.32) 19.04,36.77 20.46,35.35 20.46,35.28 U8.41
  Bottom w0.2: 25.39,52.71 25.39,60.89 31.12,66.62 31.12,68.95 31.08,68.99 31.08,72.5 R43.1 ; 25.39,52.71 25.99,52.11 25.99,45.33 26.05,45.27 26.05,41.79 26.1,41.74 26.1,38.95 25.95,38.79 25.95,36.61 29.81,32.75 29.81,30.87 28.95,30 28.95,24.72 29.47,24.2 29.47,24 30.32,23.15 30.32,19.59 29.28,18.55 R45.1 ; 25.39,52.71 25.39,52.46 20.92,47.99 20.06,47.99 19.99,48.05 19.15,48.05 18.15,47.06 18.15,39.11 18.28,38.98 18.28,38.89 19.04,38.13 v1(19.04,37.32)
/xmos/MIC_DATA: length 28.9
  Top w0.2: U5.3 13.12,31.93 13.86,32.67 13.86,33.2 16.65,35.99 16.75,35.99 v1(17.37,36.61) 17.57,36.81 R10.1 ; v1(23.76,39.51) 25.66,37.61 U8.31 ; U8.43 21.96,32.64 21.64,32.64 21.37,32.37 20.79,32.37 20.08,33.09 20.08,33.67 v1(18.23,35.52)
  Bottom w0.2: v1(17.37,36.61) 17.62,36.35 17.62,36.25 18.23,35.65 v1(18.23,35.52) 22.22,39.51 v1(23.76,39.51)
/xmos/MIC_DATA_M: length 116.4
  Top w0.2: v1(26.66,55.51) 26.21,55.96 v1(24.78,55.96) ; v1(14.38,35.34) 14.29,35.25 R40.2 ; U5.2 12.92,32.58 v1(13.26,32.92)
  Bottom w0.2: v1(14.38,35.34) 13.26,34.22 v1(13.26,32.92) 13.42,32.92 15.61,35.11 15.61,36.24 15.61,36.24 15.61,44.96 19,48.35 20.12,48.35 20.13,48.34 20.77,48.34 24.78,52.36 v1(24.78,55.96) ; 26.6,56.36 26.6,55.57 v1(26.66,55.51) ; 26.6,56.36 26.6,59.3 26.61,59.32 26.61,60.54 36.97,70.89 36.97,73.02 R44.1 ; 26.6,56.36 31.12,51.83 32.01,51.83 34.53,49.32 34.53,34.72 34.28,34.48 36.94,31.82 36.94,22.09 36.08,21.23 36.08,19.09 36.6,18.57 36.6,8.55 35.3,7.25 R46.1
/xmos/PLL_AVDD_Filter: length 8
  Top w0.25: R24.1 17.08,26.08 18.1,27.1 19.47,27.1 19.81,27.44 20.62,27.44 21.16,27.98 C36.1 22.01,28.82 U8.50
Boot_Sel: length 4.9
  Top w0.25: v1(46.92,18.13) 46.96,18.09 R42.2
  Bottom w0.25: v1(46.92,18.13) 48.25,16.8 48.25,15.38
Enable1V: length 34.3
  Top w0.25: v1(57.4,25.94) 57.13,26.21 U7.4 ; v1(58.41,9.43) v1(45.46,9.43)
  Bottom w0.25: v1(58.41,9.43) 58.41,24.92 v1(57.4,25.94) ; v1(45.46,9.43) 45.46,12.59
FanPWM: length 122
  Top w0.2: J6.33 44.32,16.03 v1(60.45,16.03) ; v1(46.98,72.17) 41.04,72.17 v1(40.48,72.73) ; v1(50.29,60.23) 52.73,60.23 54.51,58.45 57.36,58.45 v1(57.68,58.13) ; R2.2 23.37,78.97 v1(22.85,78.97) ; v1(26.16,83.34) 26.66,82.84 40.63,82.84 v1(40.89,83.09)
  Bottom w0.2: v1(60.45,16.03) 60.78,16.36 60.78,55.03 v1(57.68,58.13) ; v1(26.16,83.34) 22.85,80.04 v1(22.85,78.97) ; v1(40.48,72.73) 40.89,73.13 v1(40.89,83.09) ; v1(46.98,72.17) 50.38,68.77 50.38,65.82 50.29,65.73 v1(50.29,60.23)
FanTach: length 170.4
  Top w0.2: v1(66.29,33.81) v1(61.38,33.81) ; v1(27.93,81.57) 28.7,82.33 32.51,82.33 32.67,82.49 41.34,82.49 v1(42.41,83.56) ; v1(14.47,9.34) 14.72,9.58 37.38,9.58 38.34,8.63 60.66,8.63 v1(60.95,8.92) ; v1(57.71,62.56) 56.48,63.79 v1(55.37,63.79) ; R25.1 R20.1 23.8,77.32 v1(23.36,77.77)
  Bottom w0.2: v1(23.36,77.77) 23.36,78.42 26.51,81.57 v1(27.93,81.57) ; v1(60.95,8.92) 61.38,9.34 v1(61.38,33.81) ; v1(14.47,9.34) 13.96,9.85 13.96,13.62 J6.11 ; v1(42.41,83.56) 44.33,81.64 44.33,78.28 47.75,74.86 47.75,74.04 51.91,69.88 52.91,69.88 55.37,67.43 v1(55.37,63.79) ; v1(66.29,33.81) 65.78,33.81 64.51,35.08 64.51,55.36 64.39,55.48 61.48,55.48 61.48,55.63 58.68,58.43 58.68,58.55 58.23,59 58.23,61.62 57.71,62.14 v1(57.71,62.56)
GPIO0: length 100.4
  Top w0.2: v1(39.25,40.23) 36.28,40.23 v1(35.98,39.93) ; v1(40.33,17.91) 39.93,17.51 36.21,17.51 35.68,18.04 v1(35.68,18.64) ; v1(32.51,63.23) 30.78,63.23 30.52,63.49 23.17,63.49 v1(23.16,63.48) ; v1(13.23,80.83) 13.35,80.7 21.08,80.7 v1(21.25,80.53)
  Bottom w0.2: J6.27 35.55,18.51 v1(35.68,18.64) ; v1(40.33,17.91) 41.19,18.77 41.19,31.29 38.55,33.93 38.55,39.56 39.22,40.23 v1(39.25,40.23) ; v1(23.16,63.48) 22.38,64.26 22.38,78.59 21.25,79.72 v1(21.25,80.53) ; v1(35.98,39.93) 34.98,40.93 34.98,42.63 35.08,42.73 35.08,50.23 32.51,52.8 v1(32.51,63.23) ; J9.3 14.16,81.76 v1(13.23,80.83)
GPIO1: length 81.5
  Top w0.2: v1(70.1,41.83) 70.1,42.48 J11.9 ; v1(33.12,8.97) 37.43,8.97 38.25,8.16 67.3,8.16 v1(69.34,6.13)
  Bottom w0.2: v1(69.34,6.13) 71.37,8.16 71.37,40.56 v1(70.1,41.83) ; v1(33.12,8.97) 34.7,10.56 34.7,11.49 J6.28
GPIO5: length 83.9
  Top w0.25: v1(44,44.04) 42.92,42.96 38.86,42.96 38.49,42.6 37.4,42.6 37.2,42.79 32.19,42.79 32.09,42.69 27.78,42.69 26.98,43.5 25.51,43.5 v1(25.31,43.69) ; v1(47.03,20.66) 46.64,21.05 40.42,21.05 39.26,22.22 v1(37.98,22.22) ; U3.29 17.72,47.97 18.08,47.62 19.26,47.62 19.78,47.1 19.78,44.23 19.23,43.69 R50.2 ; v1(36.78,20.06) 36.92,19.92 R19.1
  Bottom w0.25: v1(19.86,46.21) 19.86,43.85 21.91,41.8 24.35,41.8 25.31,42.76 v1(25.31,43.69) ; v1(44,44.04) 44.4,44.44 46.55,44.44 48.49,42.5 48.49,23.82 48.17,23.5 48.17,21.79 v1(47.03,20.66) ; 37.23,20.38 37.98,21.13 v1(37.98,22.22) ; 37.23,20.38 36.98,20.13 ; 37.23,20.38 37.1,20.38 v1(36.78,20.06)
GPIO7: length 199.2
  Top w0.25: v1(65.27,46.26) 65.43,46.42 J11.7 ; U8.45 20.87,31.77 19.87,32.77 18.98,32.77 v1(18.63,32.42) ; v1(54.6,62.77) 55.62,61.75 58.75,61.75 v1(59.18,61.33) ; v1(67.56,35.08) 67.3,34.83 60.19,34.83 v1(59.68,34.32) ; J6.26 34.65,10.7 v1(39.36,10.7) ; v1(29.2,22.64) 35.62,22.64 v1(35.73,22.75) ; v1(40.31,84.43) 40.16,84.27 30.81,84.27 30.05,85.04 18.06,85.04 J9.2 ; v1(59.43,5.11) 59.11,4.79 41.17,4.79 v1(40.98,4.6)
  Bottom w0.25: v1(59.18,61.33) 59.18,58.46 61.78,55.85 64.55,55.85 65.27,55.13 v1(65.27,46.26) 65.27,40.42 67.56,38.13 v1(67.56,35.08) ; v1(29.2,22.64) 29.2,23.1 27.43,24.88 26.28,24.88 20.64,30.51 19.95,30.51 19.19,31.28 19.19,31.86 v1(18.63,32.42) ; v1(40.31,84.43) 40.98,83.77 41.17,83.77 43.63,81.3 43.63,76.79 51.05,69.37 51.05,66.33 v1(54.6,62.77) ; v1(59.43,5.11) 59.43,34.07 v1(59.68,34.32) ; v1(40.98,4.6) 40.18,5.4 40.18,7.1 39.78,7.5 39.78,10.29 v1(39.36,10.7) ; J6.26 34.44,13.77 34.44,14.41 34.43,14.42 34.43,15.35 34.94,15.87 34.94,18.86 35.3,19.21 35.3,22.32 v1(35.73,22.75)
GPIO22: length 51.3
  Top w0.2: v1(13.51,27.87) 13.2,27.57 4.93,27.57 v1(4.87,27.51) ; v1(6.24,39.24) 6.28,39.2 14.59,39.2 v1(14.62,39.24) ; v1(6.22,32.8) 6.24,32.8 TP29.1 ; 20.06,19.82 19.19,19.82 18.8,19.43 18.7,19.43 18.1,20.03 16.08,20.03 v1(16.05,20.06)
  Bottom w0.2: v1(16.05,20.06) 15.55,20.06 14.42,21.19 14.42,26.21 13.51,27.12 v1(13.51,27.87) ; v1(4.87,27.51) 5.17,27.21 5.28,27.21 5.94,27.87 5.94,32.52 v1(6.22,32.8) 6.18,32.84 6.18,36.4 6.24,36.47 v1(6.24,39.24) 6.34,39.33 D17.1 ; v1(14.62,39.24) 14.69,39.17 14.8,39.17 ; 14.8,39.17 S1.1 ; 14.8,39.17 S1.1
GPIO23: length 32.7
  Top w0.2: v1(9.98,7.58) 10.08,7.68 v1(15.64,7.68) 21.6,7.68 v1(21.74,7.82)
  Bottom w0.2: S2.1 15.64,8.15 v1(15.64,7.68) ; R13.2 20.89,6.42 21.74,7.27 ; 21.74,7.27 21.81,7.27 R17.2 ; 21.74,7.27 v1(21.74,7.82) 21.76,7.84 21.76,8.44 21.69,8.52 21.69,15.28 21.86,15.45 21.86,17.62 v1(22.48,18.23) ; D18.1 7.33,5.68 9.22,7.58 v1(9.98,7.58) 9.98,8.33 S2.1
GPIO24: length 53.9
  Top w0.2: D19.1 45.18,39.18 v1(45.18,39.73) ; 25.99,18.93 28.68,18.93 30.08,20.33 34.04,20.33 34.36,20.65 34.89,20.65 34.91,20.63 36.43,20.63 36.51,20.71 37.05,20.71 37.13,20.63 38.98,20.63 v1(39.19,20.84) ; v1(37.08,34.32) 38.35,33.05 v1(42.28,33.05) 44.72,33.05
  Bottom w0.2: v1(37.08,34.32) 37.08,34.07 40.26,30.89 40.26,21.91 v1(39.19,20.84) ; S3.1 45.93,38.98 v1(45.18,39.73) ; S3.1 S3.1 ; S3.1 45.93,35.3 43.68,33.05 v1(42.28,33.05)
GPIO25: length 90.5
  Top w0.2: 28.19,19.62 21.09,19.62 20.55,20.16 20.55,20.22 20.14,20.63 16.86,20.63 16.64,20.85 15.99,20.85 14.73,19.59 v1(14.73,17.05) ; v1(11.95,35.75) 12.36,35.75 R39.1 ; v1(12.19,18.02) 12.19,20.22 v1(12.83,20.86) ; TP32.1 16.55,73.72 15.11,73.72 v1(15.08,73.69) ; v1(12.47,33.34) 12.35,33.23 U5.1
  Bottom w0.2: 14.97,73.5 15.08,73.62 v1(15.08,73.69) ; 14.97,73.5 15.6,74.14 SW1.2 ; 14.97,73.5 14.4,72.94 14.4,71.56 14.75,71.21 14.75,69.66 15.49,68.92 17.01,68.92 19.3,66.63 19.3,64.04 19.15,63.89 19.15,62.64 18.69,62.19 18.69,54.32 16.71,52.34 16.71,47.84 17,47.55 17,47.05 14.14,44.19 14.1,44.19 14.1,40.5 11.95,38.35 v1(11.95,35.75) 12.47,35.23 v1(12.47,33.34) 12.44,33.32 12.44,31.27 11.98,30.82 11.98,27.18 13.72,25.44 13.72,22.22 13.03,21.54 13.03,21.06 v1(12.83,20.86) ; v1(14.73,17.05) 13.76,18.02 v1(12.19,18.02)
I2S_BCLK_AMP: length 82.4
  Top w0.2: v1(34.06,15.94) 33.61,16.4 18.46,16.4 17.52,17.34 17.52,18.12 R65.2
  Top w0.25: v1(4.18,36.86) 4.68,37.36 15.41,37.36 v1(16.26,36.51) ; U8.5 28.12,27.62 28.48,27.62 31.3,24.8 v1(33.83,24.8) ; U3.14 5.98,45.97 4.74,44.73 4.26,44.73 4.16,44.83 3.35,44.83 3.35,44.74 3.17,44.56 v1(3.04,44.56) ; R65.2 15.86,18.91 v1(15.68,18.73)
  Bottom w0.25: v1(4.18,36.86) 4.18,38.43 4.06,38.56 4.06,43.54 v1(3.04,44.56) ; v1(34.06,15.94) 33.37,16.64 33.37,24.34 v1(33.83,24.8) ; v1(16.26,36.51) 16.09,36.35 16.09,30.46 17.86,28.7 17.86,24.87 17.06,24.07 17.06,19.97 17.01,19.92 17.01,19.56 16.18,18.73 v1(15.68,18.73)
